# Altium PCB Slave.PcbDoc (part 9 of 12)
Units mm, origin at the board's own origin, x right, y up, seen from the top; angles counter-clockwise.
Board outline 380 x 63 mm, 4 copper layers (Top Copper, Signal Layer 1, Signal Layer 2, Bottom Copper), stack 1.586 mm thick; 265 components, 193 nets, 745 pads, 28205 vias.
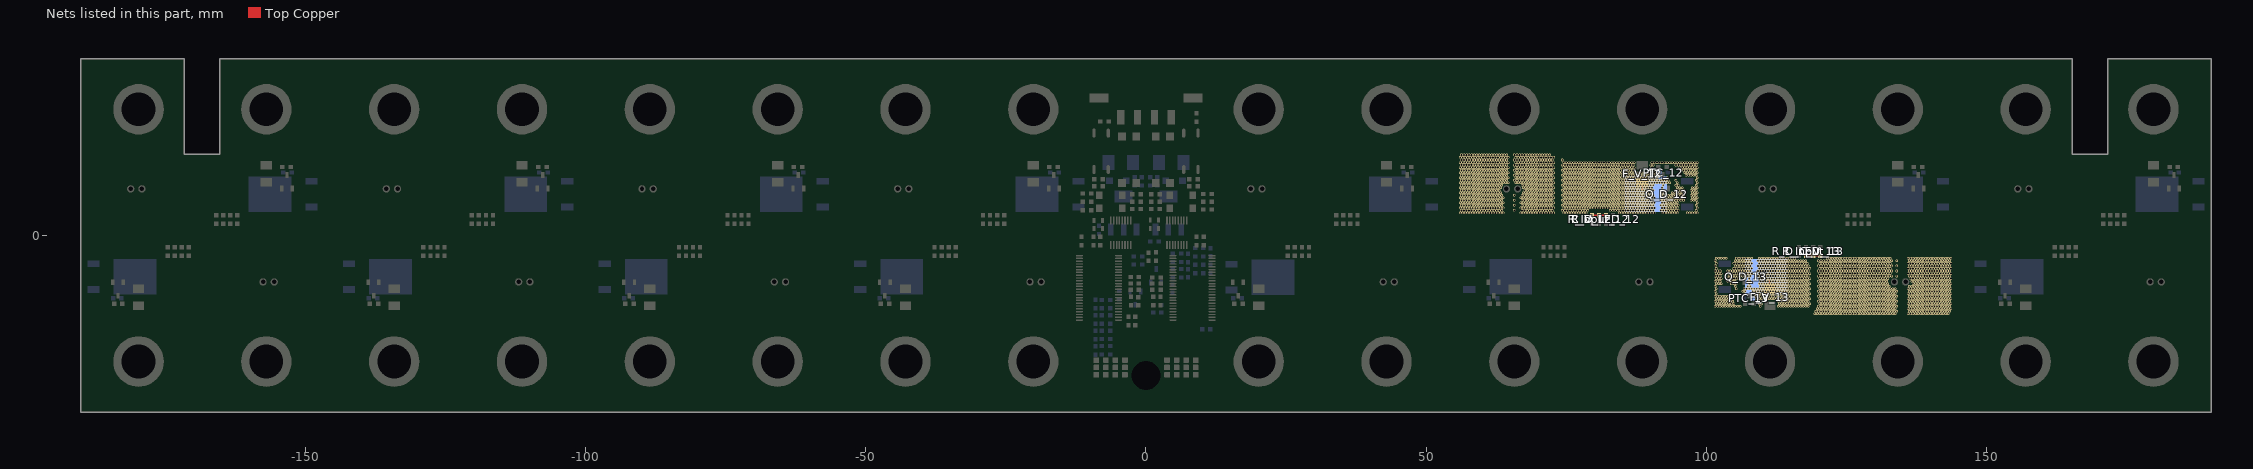
[diagram p11: the nets of this part, all layers, seen from the top]

## Via types
v1: diameter 0.45, hole 0.297, Top Copper to Bottom Copper, tented both sides, 27372 vias
v2: diameter 1, hole 0.7, Top Copper to Bottom Copper, 576 vias
v3: diameter 0.45, hole 0.2, Top Copper to Bottom Copper, 257 vias

## Nets (pads, with @x,y where several pads share a name; then routed paths per layer and width w, separated by ;. In a path a pad name is that pad's centre, name@x,y a point inside that pad or via, vN(x,y) a via of type N, cw(c..) or ccw(c..) an arc to the next point about the centre after c; other vN are vias at no path point) (continued)
F_12: C_V_12.2 F_V_12.2 PTC_12.2 Q_D_12.2 R_D_LED_12.2 R_Input_12.1 | length 3.9
  Top Copper w0.254: C_V_12.2@79.55,3.6 R_Input_12.1@80.8,3.6 R_D_LED_12.2@82.05,3.6
  Top Copper w0.305: v1@88.525,8.1 F_V_12.2@88.525,9.48
  other v1: 56.049,4 56.499,4 56.949,4 57.399,4 57.849,4 58.299,4 58.749,4 59.199,4 59.649,4 60.099,4 60.549,4 60.999,4 61.449,4 61.899,4 62.349,4 62.799,4 63.249,4 63.699,4 66.849,4 67.299,4 67.749,4 68.199,4 68.649,4 69.099,4 69.549,4 69.999,4 70.449,4 70.899,4 71.349,4 71.799,4 72.249,4 72.699,4 74.499,4 74.949,4 75.399,4 75.849,4 76.299,4 76.749,4 77.199,4 77.649,4 78.099,4 78.549,4 84.399,4 84.849,4 85.299,4 85.749,4 86.199,4 86.649,4 87.099,4 87.549,4 87.999,4 88.449,4 88.899,4 89.349,4 89.799,4 90.249,4 90.699,4 92.049,4 92.499,4 92.949,4 93.399,4 93.849,4 94.299,4 94.749,4 96.549,4 96.999,4 97.449,4 97.899,4 98.349,4 56.274,4.45 56.724,4.45 57.174,4.45 57.624,4.45 58.074,4.45 58.524,4.45 58.974,4.45 59.424,4.45 59.874,4.45 60.324,4.45 60.774,4.45 61.224,4.45 61.674,4.45 62.124,4.45 62.574,4.45 63.024,4.45 63.474,4.45 65.724,4.45 67.074,4.45 67.524,4.45 67.974,4.45 68.424,4.45 68.874,4.45 69.324,4.45 69.774,4.45 70.224,4.45 70.674,4.45 71.124,4.45 71.574,4.45 72.024,4.45 72.474,4.45 74.274,4.45 74.724,4.45 75.174,4.45 75.624,4.45 76.074,4.45 76.524,4.45 76.974,4.45 77.424,4.45 77.874,4.45 78.324,4.45 78.774,4.45 82.824,4.45 83.274,4.45 83.724,4.45 84.174,4.45 84.624,4.45 85.074,4.45 85.524,4.45 85.974,4.45 86.424,4.45 86.874,4.45 87.324,4.45 87.774,4.45 88.224,4.45 88.674,4.45 89.124,4.45 89.574,4.45 90.024,4.45 90.474,4.45 91.824,4.45 92.274,4.45 92.724,4.45 93.174,4.45 93.624,4.45 94.074,4.45 94.524,4.45 94.974,4.45 98.124,4.45 56.049,4.9 56.499,4.9 56.949,4.9 57.399,4.9 57.849,4.9 58.299,4.9 58.749,4.9 59.199,4.9 59.649,4.9 60.099,4.9 60.549,4.9 60.999,4.9 61.449,4.9 61.899,4.9 62.349,4.9 62.799,4.9 63.249,4.9 63.699,4.9 66.849,4.9 67.299,4.9 67.749,4.9 68.199,4.9 68.649,4.9 69.099,4.9 69.549,4.9 69.999,4.9 70.449,4.9 70.899,4.9 71.349,4.9 71.799,4.9 72.249,4.9 72.699,4.9 74.499,4.9 74.949,4.9 75.399,4.9 75.849,4.9 76.299,4.9 76.749,4.9 77.199,4.9 77.649,4.9 78.099,4.9 78.549,4.9 78.999,4.9 79.449,4.9 79.899,4.9 80.349,4.9 80.799,4.9 81.249,4.9 81.699,4.9 82.149,4.9 82.599,4.9 83.049,4.9 83.499,4.9 83.949,4.9 84.399,4.9 84.849,4.9 85.299,4.9 85.749,4.9 86.199,4.9 86.649,4.9 87.099,4.9 87.549,4.9 87.999,4.9 88.449,4.9 88.899,4.9 89.349,4.9 89.799,4.9 90.249,4.9 90.699,4.9 92.049,4.9 92.499,4.9 92.949,4.9 93.399,4.9 93.849,4.9 94.299,4.9 94.749,4.9 98.349,4.9 56.274,5.35 56.724,5.35 57.174,5.35 57.624,5.35 58.074,5.35 58.524,5.35 58.974,5.35 59.424,5.35 59.874,5.35 60.324,5.35 60.774,5.35 61.224,5.35 61.674,5.35 62.124,5.35 62.574,5.35 63.024,5.35 63.474,5.35 65.724,5.35 67.074,5.35 67.524,5.35 67.974,5.35 68.424,5.35 68.874,5.35 69.324,5.35 69.774,5.35 70.224,5.35 70.674,5.35 71.124,5.35 71.574,5.35 72.024,5.35 72.474,5.35 74.274,5.35 74.724,5.35 75.174,5.35 75.624,5.35 76.074,5.35 76.524,5.35 76.974,5.35 77.424,5.35 77.874,5.35 78.324,5.35 78.774,5.35 79.224,5.35 79.674,5.35 80.124,5.35 80.574,5.35 81.024,5.35 81.474,5.35 81.924,5.35 82.374,5.35 82.824,5.35 83.274,5.35 83.724,5.35 84.174,5.35 84.624,5.35 85.074,5.35 85.524,5.35 85.974,5.35 86.424,5.35 86.874,5.35 87.324,5.35 87.774,5.35 88.224,5.35 88.674,5.35 89.124,5.35 89.574,5.35 90.024,5.35 90.474,5.35 91.824,5.35 92.274,5.35 92.724,5.35 93.174,5.35 93.624,5.35 94.074,5.35 94.524,5.35 94.974,5.35 98.124,5.35 56.049,5.8 56.499,5.8 56.949,5.8 57.399,5.8 57.849,5.8 58.299,5.8 58.749,5.8 59.199,5.8 59.649,5.8 60.099,5.8 60.549,5.8 60.999,5.8 61.449,5.8 61.899,5.8 62.349,5.8 62.799,5.8 63.249,5.8 63.699,5.8 66.849,5.8 67.299,5.8 67.749,5.8 68.199,5.8 68.649,5.8 69.099,5.8 69.549,5.8 69.999,5.8 70.449,5.8 70.899,5.8 71.349,5.8 71.799,5.8 72.249,5.8 72.699,5.8 74.499,5.8 74.949,5.8 75.399,5.8 75.849,5.8 76.299,5.8 76.749,5.8 77.199,5.8 77.649,5.8 78.099,5.8 78.549,5.8 78.999,5.8 79.449,5.8 79.899,5.8 80.349,5.8 80.799,5.8 81.249,5.8 81.699,5.8 82.149,5.8 82.599,5.8 83.049,5.8 83.499,5.8 83.949,5.8 84.399,5.8 84.849,5.8 85.299,5.8 85.749,5.8 86.199,5.8 86.649,5.8 87.099,5.8 87.549,5.8 87.999,5.8 88.449,5.8 88.899,5.8 89.349,5.8 89.799,5.8 90.249,5.8 90.699,5.8 92.049,5.8 92.499,5.8 92.949,5.8 93.399,5.8 93.849,5.8 94.299,5.8 94.749,5.8 98.349,5.8 56.274,6.25 56.724,6.25 57.174,6.25 57.624,6.25 58.074,6.25 58.524,6.25 58.974,6.25 59.424,6.25 59.874,6.25 60.324,6.25 60.774,6.25 61.224,6.25 61.674,6.25 62.124,6.25 62.574,6.25 63.024,6.25 63.474,6.25 65.724,6.25 67.074,6.25 67.524,6.25 67.974,6.25 68.424,6.25 68.874,6.25 69.324,6.25 69.774,6.25 70.224,6.25 70.674,6.25 71.124,6.25 71.574,6.25 72.024,6.25 72.474,6.25 74.274,6.25 74.724,6.25 75.174,6.25 75.624,6.25 76.074,6.25 76.524,6.25 76.974,6.25 77.424,6.25 77.874,6.25 78.324,6.25 78.774,6.25 79.224,6.25 79.674,6.25 80.124,6.25 80.574,6.25 81.024,6.25 81.474,6.25 81.924,6.25 82.374,6.25 82.824,6.25 83.274,6.25 83.724,6.25 84.174,6.25 84.624,6.25 85.074,6.25 85.524,6.25 85.974,6.25 86.424,6.25 86.874,6.25 87.324,6.25 87.774,6.25 88.224,6.25 88.674,6.25 89.124,6.25 89.574,6.25 90.024,6.25 90.474,6.25 91.824,6.25 92.274,6.25 92.724,6.25 93.174,6.25 93.624,6.25 94.074,6.25 94.524,6.25 94.974,6.25 95.424,6.25 95.874,6.25 97.224,6.25 97.674,6.25 98.124,6.25 56.049,6.7 56.499,6.7 56.949,6.7 57.399,6.7 57.849,6.7 58.299,6.7 58.749,6.7 59.199,6.7 59.649,6.7 60.099,6.7 60.549,6.7 60.999,6.7 61.449,6.7 61.899,6.7 62.349,6.7 62.799,6.7 63.249,6.7 63.699,6.7 66.849,6.7 67.299,6.7 67.749,6.7 68.199,6.7 68.649,6.7 69.099,6.7 69.549,6.7 69.999,6.7 70.449,6.7 70.899,6.7 71.349,6.7 71.799,6.7 72.249,6.7 72.699,6.7 74.499,6.7 74.949,6.7 75.399,6.7 75.849,6.7 76.299,6.7 76.749,6.7 77.199,6.7 77.649,6.7 78.099,6.7 78.549,6.7 78.999,6.7 79.449,6.7 79.899,6.7 80.349,6.7 80.799,6.7 81.249,6.7 81.699,6.7 82.149,6.7 82.599,6.7 83.049,6.7 83.499,6.7 83.949,6.7 84.399,6.7 84.849,6.7 85.299,6.7 85.749,6.7 86.199,6.7 86.649,6.7 87.099,6.7 87.549,6.7 87.999,6.7 88.449,6.7 88.899,6.7 89.349,6.7 89.799,6.7 90.249,6.7 90.699,6.7 92.049,6.7 92.499,6.7 92.949,6.7 93.399,6.7 93.849,6.7 94.299,6.7 94.749,6.7 95.199,6.7 95.649,6.7 97.449,6.7 97.899,6.7 98.349,6.7 56.274,7.15 56.724,7.15 57.174,7.15 57.624,7.15 58.074,7.15 58.524,7.15 58.974,7.15 59.424,7.15 59.874,7.15 60.324,7.15 60.774,7.15 61.224,7.15 61.674,7.15 62.124,7.15 62.574,7.15 63.024,7.15 63.474,7.15 65.724,7.15 67.074,7.15 67.524,7.15 67.974,7.15 68.424,7.15 68.874,7.15 69.324,7.15 69.774,7.15 70.224,7.15 70.674,7.15 71.124,7.15 71.574,7.15 72.024,7.15 72.474,7.15 74.274,7.15 74.724,7.15 75.174,7.15 75.624,7.15 76.074,7.15 76.524,7.15 76.974,7.15 77.424,7.15 77.874,7.15 78.324,7.15 78.774,7.15 79.224,7.15 79.674,7.15 80.124,7.15 80.574,7.15 81.024,7.15 81.474,7.15 81.924,7.15 82.374,7.15 82.824,7.15 83.274,7.15 83.724,7.15 84.174,7.15 84.624,7.15 85.074,7.15 85.524,7.15 85.974,7.15 86.424,7.15 86.874,7.15 87.324,7.15 87.774,7.15 88.224,7.15 88.674,7.15 89.124,7.15 89.574,7.15 90.024,7.15 90.474,7.15 91.824,7.15 92.274,7.15 92.724,7.15 93.174,7.15 93.624,7.15 94.074,7.15 94.524,7.15 94.974,7.15 95.424,7.15 95.874,7.15 97.224,7.15 97.674,7.15 98.124,7.15 56.049,7.6 56.499,7.6 56.949,7.6 57.399,7.6 57.849,7.6 58.299,7.6 58.749,7.6 59.199,7.6 59.649,7.6 60.099,7.6 60.549,7.6 60.999,7.6 61.449,7.6 61.899,7.6 62.349,7.6 62.799,7.6 63.249,7.6 67.299,7.6 67.749,7.6 68.199,7.6 68.649,7.6 69.099,7.6 69.549,7.6 69.999,7.6 70.449,7.6 70.899,7.6 71.349,7.6 71.799,7.6 72.249,7.6 72.699,7.6 74.499,7.6 74.949,7.6 75.399,7.6 75.849,7.6 76.299,7.6 76.749,7.6 77.199,7.6 77.649,7.6 78.099,7.6 78.549,7.6 78.999,7.6 79.449,7.6 79.899,7.6 80.349,7.6 80.799,7.6 81.249,7.6 81.699,7.6 82.149,7.6 82.599,7.6 83.049,7.6 83.499,7.6 83.949,7.6 84.399,7.6 84.849,7.6 85.299,7.6 85.749,7.6 86.199,7.6 86.649,7.6 87.099,7.6 87.549,7.6 87.999,7.6 88.449,7.6 88.899,7.6 89.349,7.6 89.799,7.6 90.249,7.6 92.049,7.6 92.499,7.6 93.849,7.6 94.299,7.6 94.749,7.6 95.199,7.6 95.649,7.6 97.449,7.6 97.899,7.6 98.349,7.6 56.274,8.05 56.724,8.05 57.174,8.05 57.624,8.05 58.074,8.05 58.524,8.05 58.974,8.05 59.424,8.05 59.874,8.05 60.324,8.05 60.774,8.05 61.224,8.05 61.674,8.05 62.124,8.05 62.574,8.05 63.024,8.05 67.524,8.05 67.974,8.05 68.424,8.05 68.874,8.05 69.324,8.05 69.774,8.05 70.224,8.05 70.674,8.05 71.124,8.05 71.574,8.05 72.024,8.05 72.474,8.05 74.274,8.05 74.724,8.05 75.174,8.05 75.624,8.05 76.074,8.05 76.524,8.05 76.974,8.05 77.424,8.05 77.874,8.05 78.324,8.05 78.774,8.05 79.224,8.05 79.674,8.05 80.124,8.05 80.574,8.05 81.024,8.05 81.474,8.05 81.924,8.05 82.374,8.05 82.824,8.05 83.274,8.05 83.724,8.05 84.174,8.05 84.624,8.05 85.074,8.05 85.524,8.05 85.974,8.05 86.424,8.05 86.874,8.05 87.324,8.05 87.774,8.05 88.224,8.05 88.674,8.05 89.124,8.05 89.574,8.05 90.024,8.05 90.474,8.05 92.274,8.05 94.524,8.05 94.974,8.05 95.424,8.05 95.874,8.05 97.224,8.05 97.674,8.05 98.124,8.05 56.049,8.5 56.499,8.5 56.949,8.5 57.399,8.5 57.849,8.5 58.299,8.5 58.749,8.5 59.199,8.5 59.649,8.5 60.099,8.5 60.549,8.5 60.999,8.5 61.449,8.5 61.899,8.5 62.349,8.5 62.799,8.5 63.249,8.5 67.299,8.5 67.749,8.5 68.199,8.5 68.649,8.5 69.099,8.5 69.549,8.5 69.999,8.5 70.449,8.5 70.899,8.5 71.349,8.5 71.799,8.5 72.249,8.5 72.699,8.5 74.499,8.5 74.949,8.5 75.399,8.5 75.849,8.5 76.299,8.5 76.749,8.5 77.199,8.5 77.649,8.5 78.099,8.5 78.549,8.5 78.999,8.5 79.449,8.5 79.899,8.5 80.349,8.5 80.799,8.5 81.249,8.5 81.699,8.5 82.149,8.5 82.599,8.5 83.049,8.5 83.499,8.5 83.949,8.5 84.399,8.5 84.849,8.5 85.299,8.5 85.749,8.5 86.199,8.5 86.649,8.5 87.099,8.5 87.549,8.5 87.999,8.5 88.449,8.5 88.899,8.5 89.349,8.5 89.799,8.5 90.249,8.5 92.049,8.5 94.749,8.5 95.199,8.5 95.649,8.5 97.449,8.5 97.899,8.5 98.349,8.5 56.274,8.95 56.724,8.95 57.174,8.95 57.624,8.95 58.074,8.95 58.524,8.95 58.974,8.95 59.424,8.95 59.874,8.95 60.324,8.95 60.774,8.95 61.224,8.95 61.674,8.95 62.124,8.95 62.574,8.95 63.024,8.95 63.474,8.95 67.074,8.95 67.524,8.95 67.974,8.95 68.424,8.95 68.874,8.95 69.324,8.95 69.774,8.95 70.224,8.95 70.674,8.95 71.124,8.95 71.574,8.95 72.024,8.95 72.474,8.95 74.274,8.95 74.724,8.95 75.174,8.95 75.624,8.95 76.074,8.95 76.524,8.95 76.974,8.95 77.424,8.95 77.874,8.95 78.324,8.95 78.774,8.95 79.224,8.95 79.674,8.95 80.124,8.95 80.574,8.95 81.024,8.95 81.474,8.95 81.924,8.95 82.374,8.95 82.824,8.95 83.274,8.95 83.724,8.95 84.174,8.95 84.624,8.95 85.074,8.95 85.524,8.95 85.974,8.95 86.424,8.95 86.874,8.95 87.324,8.95 87.774,8.95 88.224,8.95 88.674,8.95 89.124,8.95 89.574,8.95 90.024,8.95 90.474,8.95 92.274,8.95 94.524,8.95 94.974,8.95 98.124,8.95 56.049,9.4 56.499,9.4 56.949,9.4 57.399,9.4 57.849,9.4 58.299,9.4 58.749,9.4 59.199,9.4 59.649,9.4 60.099,9.4 60.549,9.4 60.999,9.4 61.449,9.4 61.899,9.4 62.349,9.4 62.799,9.4 63.249,9.4 63.699,9.4 64.149,9.4 64.599,9.4 65.949,9.4 66.399,9.4 66.849,9.4 67.299,9.4 67.749,9.4 68.199,9.4 68.649,9.4 69.099,9.4 69.549,9.4 69.999,9.4 70.449,9.4 70.899,9.4 71.349,9.4 71.799,9.4 72.249,9.4 72.699,9.4 74.499,9.4 74.949,9.4 75.399,9.4 75.849,9.4 76.299,9.4 76.749,9.4 77.199,9.4 77.649,9.4 78.099,9.4 78.549,9.4 78.999,9.4 79.449,9.4 79.899,9.4 80.349,9.4 80.799,9.4 81.249,9.4 81.699,9.4 82.149,9.4 82.599,9.4 83.049,9.4 83.499,9.4 83.949,9.4 84.399,9.4 84.849,9.4 85.299,9.4 85.749,9.4 86.199,9.4 86.649,9.4 87.099,9.4 87.549,9.4 87.999,9.4 88.449,9.4 88.899,9.4 89.349,9.4 89.799,9.4 90.249,9.4 90.699,9.4 91.149,9.4 91.599,9.4 92.049,9.4 92.499,9.4 92.949,9.4 93.399,9.4 94.749,9.4 98.349,9.4 56.274,9.85 56.724,9.85 57.174,9.85 57.624,9.85 58.074,9.85 58.524,9.85 58.974,9.85 59.424,9.85 59.874,9.85 60.324,9.85 60.774,9.85 61.224,9.85 61.674,9.85 62.124,9.85 62.574,9.85 63.024,9.85 63.474,9.85 63.924,9.85 64.374,9.85 65.724,9.85 66.174,9.85 66.624,9.85 67.074,9.85 67.524,9.85 67.974,9.85 68.424,9.85 68.874,9.85 69.324,9.85 69.774,9.85 70.224,9.85 70.674,9.85 71.124,9.85 71.574,9.85 72.024,9.85 72.474,9.85 74.274,9.85 74.724,9.85 75.174,9.85 75.624,9.85 76.074,9.85 76.524,9.85 76.974,9.85 77.424,9.85 77.874,9.85 78.324,9.85 78.774,9.85 79.224,9.85 79.674,9.85 80.124,9.85 80.574,9.85 81.024,9.85 81.474,9.85 81.924,9.85 82.374,9.85 82.824,9.85 83.274,9.85 83.724,9.85 84.174,9.85 84.624,9.85 85.074,9.85 85.524,9.85 85.974,9.85 86.424,9.85 86.874,9.85 87.324,9.85 87.774,9.85 88.224,9.85 88.674,9.85 89.124,9.85 89.574,9.85 90.024,9.85 90.474,9.85 90.924,9.85 91.374,9.85 91.824,9.85 92.274,9.85 92.724,9.85 93.174,9.85 94.524,9.85 98.124,9.85 56.049,10.3 56.499,10.3 56.949,10.3 57.399,10.3 57.849,10.3 58.299,10.3 58.749,10.3 59.199,10.3 59.649,10.3 60.099,10.3 60.549,10.3 60.999,10.3 61.449,10.3 61.899,10.3 62.349,10.3 62.799,10.3 63.249,10.3 63.699,10.3 64.149,10.3 64.599,10.3 65.949,10.3 66.399,10.3 66.849,10.3 67.299,10.3 67.749,10.3 68.199,10.3 68.649,10.3 69.099,10.3 69.549,10.3 69.999,10.3 70.449,10.3 70.899,10.3 71.349,10.3 71.799,10.3 72.249,10.3 72.699,10.3 74.499,10.3 74.949,10.3 75.399,10.3 75.849,10.3 76.299,10.3 76.749,10.3 77.199,10.3 77.649,10.3 78.099,10.3 78.549,10.3 78.999,10.3 79.449,10.3 79.899,10.3 80.349,10.3 80.799,10.3 81.249,10.3 81.699,10.3 82.149,10.3 82.599,10.3 83.049,10.3 83.499,10.3 83.949,10.3 84.399,10.3 84.849,10.3 85.299,10.3 85.749,10.3 86.199,10.3 86.649,10.3 87.099,10.3 87.549,10.3 87.999,10.3 88.449,10.3 88.899,10.3 89.349,10.3 89.799,10.3 90.249,10.3 90.699,10.3 91.149,10.3 92.949,10.3 98.349,10.3 56.274,10.75 56.724,10.75 57.174,10.75 57.624,10.75 58.074,10.75 58.524,10.75 58.974,10.75 59.424,10.75 59.874,10.75 60.324,10.75 60.774,10.75 61.224,10.75 61.674,10.75 62.124,10.75 62.574,10.75 63.024,10.75 63.474,10.75 63.924,10.75 64.374,10.75 65.724,10.75 66.174,10.75 66.624,10.75 67.074,10.75 67.524,10.75 67.974,10.75 68.424,10.75 68.874,10.75 69.324,10.75 69.774,10.75 70.224,10.75 70.674,10.75 71.124,10.75 71.574,10.75 72.024,10.75 72.474,10.75 74.274,10.75 74.724,10.75 75.174,10.75 75.624,10.75 76.074,10.75 76.524,10.75 76.974,10.75 77.424,10.75 77.874,10.75 78.324,10.75 78.774,10.75 79.224,10.75 79.674,10.75 80.124,10.75 80.574,10.75 81.024,10.75 81.474,10.75 81.924,10.75 82.374,10.75 82.824,10.75 83.274,10.75 83.724,10.75 84.174,10.75 84.624,10.75 85.074,10.75 85.524,10.75 85.974,10.75 86.424,10.75 86.874,10.75 87.324,10.75 87.774,10.75 88.224,10.75 88.674,10.75 89.124,10.75 89.574,10.75 90.024,10.75 90.474,10.75 90.924,10.75 91.374,10.75 96.324,10.75 96.774,10.75 97.224,10.75 97.674,10.75 98.124,10.75 56.049,11.2 56.499,11.2 56.949,11.2 57.399,11.2 57.849,11.2 58.299,11.2 58.749,11.2 59.199,11.2 59.649,11.2 60.099,11.2 60.549,11.2 60.999,11.2 61.449,11.2 61.899,11.2 62.349,11.2 62.799,11.2 63.249,11.2 63.699,11.2 64.149,11.2 64.599,11.2 65.949,11.2 66.399,11.2 66.849,11.2 67.299,11.2 67.749,11.2 68.199,11.2 68.649,11.2 69.099,11.2 69.549,11.2 69.999,11.2 70.449,11.2 70.899,11.2 71.349,11.2 71.799,11.2 72.249,11.2 72.699,11.2 74.499,11.2 74.949,11.2 75.399,11.2 75.849,11.2 76.299,11.2 76.749,11.2 77.199,11.2 77.649,11.2 78.099,11.2 78.549,11.2 78.999,11.2 79.449,11.2 79.899,11.2 80.349,11.2 80.799,11.2 81.249,11.2 81.699,11.2 82.149,11.2 82.599,11.2 83.049,11.2 83.499,11.2 83.949,11.2 84.399,11.2 84.849,11.2 85.299,11.2 85.749,11.2 86.199,11.2 86.649,11.2 87.099,11.2 87.549,11.2 87.999,11.2 88.449,11.2 88.899,11.2 89.349,11.2 89.799,11.2 90.249,11.2 90.699,11.2 91.149,11.2 96.099,11.2 96.549,11.2 96.999,11.2 97.449,11.2 97.899,11.2 98.349,11.2 56.274,11.65 56.724,11.65 57.174,11.65 57.624,11.65 58.074,11.65 58.524,11.65 58.974,11.65 59.424,11.65 59.874,11.65 60.324,11.65 60.774,11.65 61.224,11.65 61.674,11.65 62.124,11.65 62.574,11.65 63.024,11.65 63.474,11.65 63.924,11.65 64.374,11.65 65.724,11.65 66.174,11.65 66.624,11.65 67.074,11.65 67.524,11.65 67.974,11.65 68.424,11.65 68.874,11.65 69.324,11.65 69.774,11.65 70.224,11.65 70.674,11.65 71.124,11.65 71.574,11.65 72.024,11.65 72.474,11.65 74.274,11.65 74.724,11.65 75.174,11.65 75.624,11.65 76.074,11.65 76.524,11.65 76.974,11.65 77.424,11.65 77.874,11.65 78.324,11.65 78.774,11.65 79.224,11.65 79.674,11.65 80.124,11.65 80.574,11.65 81.024,11.65 81.474,11.65 81.924,11.65 82.374,11.65 82.824,11.65 83.274,11.65 83.724,11.65 84.174,11.65 84.624,11.65 85.074,11.65 85.524,11.65 85.974,11.65 86.424,11.65 86.874,11.65 90.024,11.65 90.474,11.65 95.424,11.65 95.874,11.65 96.324,11.65 96.774,11.65 97.224,11.65 97.674,11.65 98.124,11.65 56.049,12.1 56.499,12.1 56.949,12.1 57.399,12.1 57.849,12.1 58.299,12.1 58.749,12.1 59.199,12.1 59.649,12.1 60.099,12.1 60.549,12.1 60.999,12.1 61.449,12.1 61.899,12.1 62.349,12.1 62.799,12.1 63.249,12.1 63.699,12.1 64.149,12.1 64.599,12.1 65.949,12.1 66.399,12.1 66.849,12.1 67.299,12.1 67.749,12.1 68.199,12.1 68.649,12.1 69.099,12.1 69.549,12.1 69.999,12.1 70.449,12.1 70.899,12.1 71.349,12.1 71.799,12.1 72.249,12.1 72.699,12.1 74.499,12.1 74.949,12.1 75.399,12.1 75.849,12.1 76.299,12.1 76.749,12.1 77.199,12.1 77.649,12.1 78.099,12.1 78.549,12.1 78.999,12.1 79.449,12.1 79.899,12.1 80.349,12.1 80.799,12.1 81.249,12.1 81.699,12.1 82.149,12.1 82.599,12.1 83.049,12.1 83.499,12.1 83.949,12.1 84.399,12.1 84.849,12.1 85.299,12.1 85.749,12.1 86.199,12.1 86.649,12.1 87.099,12.1 90.249,12.1 95.199,12.1 95.649,12.1 96.099,12.1 96.549,12.1 96.999,12.1 97.449,12.1 97.899,12.1 98.349,12.1 56.274,12.55 56.724,12.55 57.174,12.55 57.624,12.55 58.074,12.55 58.524,12.55 58.974,12.55 59.424,12.55 59.874,12.55 60.324,12.55 60.774,12.55 61.224,12.55 61.674,12.55 62.124,12.55 62.574,12.55 63.024,12.55 63.474,12.55 63.924,12.55 64.374,12.55 65.724,12.55 66.174,12.55 66.624,12.55 67.074,12.55 67.524,12.55 67.974,12.55 68.424,12.55 68.874,12.55 69.324,12.55 69.774,12.55 70.224,12.55 70.674,12.55 71.124,12.55 71.574,12.55 72.024,12.55 72.474,12.55 74.274,12.55 74.724,12.55 75.174,12.55 75.624,12.55 76.074,12.55 76.524,12.55 76.974,12.55 77.424,12.55 77.874,12.55 78.324,12.55 78.774,12.55 79.224,12.55 79.674,12.55 80.124,12.55 80.574,12.55 81.024,12.55 81.474,12.55 81.924,12.55 82.374,12.55 82.824,12.55 83.274,12.55 83.724,12.55 84.174,12.55 84.624,12.55 85.074,12.55 85.524,12.55 85.974,12.55 86.424,12.55 86.874,12.55 90.024,12.55 90.474,12.55 94.524,12.55 94.974,12.55 95.424,12.55 95.874,12.55 96.324,12.55 96.774,12.55 97.224,12.55 97.674,12.55 98.124,12.55 56.049,13 56.499,13 56.949,13 57.399,13 57.849,13 58.299,13 58.749,13 59.199,13 59.649,13 60.099,13 60.549,13 60.999,13 61.449,13 61.899,13 62.349,13 62.799,13 63.249,13 63.699,13 64.149,13 64.599,13 65.949,13 66.399,13 66.849,13 67.299,13 67.749,13 68.199,13 68.649,13 69.099,13 69.549,13 69.999,13 70.449,13 70.899,13 71.349,13 71.799,13 72.249,13 72.699,13 74.499,13 74.949,13 75.399,13 75.849,13 76.299,13 76.749,13 77.199,13 77.649,13 78.099,13 78.549,13 78.999,13 79.449,13 79.899,13 80.349,13 80.799,13 81.249,13 81.699,13 82.149,13 82.599,13 83.049,13 83.499,13 83.949,13 84.399,13 84.849,13 85.299,13 85.749,13 86.199,13 86.649,13 87.099,13 90.249,13 90.699,13 91.149,13 91.599,13 92.049,13 92.499,13 92.949,13 93.399,13 93.849,13 94.299,13 94.749,13 95.199,13 95.649,13 96.099,13 96.549,13 96.999,13 97.449,13 97.899,13 98.349,13 56.274,13.45 56.724,13.45 57.174,13.45 57.624,13.45 58.074,13.45 58.524,13.45 58.974,13.45 59.424,13.45 59.874,13.45 60.324,13.45 60.774,13.45 61.224,13.45 61.674,13.45 62.124,13.45 62.574,13.45 63.024,13.45 63.474,13.45 63.924,13.45 64.374,13.45 65.724,13.45 66.174,13.45 66.624,13.45 67.074,13.45 67.524,13.45 67.974,13.45 68.424,13.45 68.874,13.45 69.324,13.45 69.774,13.45 70.224,13.45 70.674,13.45 71.124,13.45 71.574,13.45 72.024,13.45 72.474,13.45 74.274,13.45 56.049,13.9 56.499,13.9 56.949,13.9 57.399,13.9 57.849,13.9 58.299,13.9 58.749,13.9 59.199,13.9 59.649,13.9 60.099,13.9 60.549,13.9 60.999,13.9 61.449,13.9 61.899,13.9 62.349,13.9 62.799,13.9 63.249,13.9 63.699,13.9 64.149,13.9 64.599,13.9 65.949,13.9 66.399,13.9 66.849,13.9 67.299,13.9 67.749,13.9 68.199,13.9 68.649,13.9 69.099,13.9 69.549,13.9 69.999,13.9 70.449,13.9 70.899,13.9 71.349,13.9 71.799,13.9 72.249,13.9 72.699,13.9 56.274,14.35 56.724,14.35 57.174,14.35 57.624,14.35 58.074,14.35 58.524,14.35 58.974,14.35 59.424,14.35 59.874,14.35 60.324,14.35 60.774,14.35 61.224,14.35 61.674,14.35 62.124,14.35 62.574,14.35 63.024,14.35 63.474,14.35 63.924,14.35 64.374,14.35 65.724,14.35 66.174,14.35 66.624,14.35 67.074,14.35 67.524,14.35 67.974,14.35 68.424,14.35 68.874,14.35 69.324,14.35 69.774,14.35 70.224,14.35 70.674,14.35 71.124,14.35 71.574,14.35 72.024,14.35
F_13: C_V_13.2 F_V_13.2 PTC_13.2 Q_D_13.2 R_D_LED_13.2 R_Input_13.1 | length 3.9
  Top Copper w0.254: R_D_LED_13.2@117.75,-3.6 R_Input_13.1@119,-3.6 C_V_13.2@120.25,-3.6
  Top Copper w0.305: F_V_13.2@111.275,-9.48 v1@111.275,-8.1
  other v1: 119.274,-14 119.724,-14 120.174,-14 120.624,-14 121.074,-14 121.524,-14 121.974,-14 122.424,-14 122.874,-14 123.324,-14 123.774,-14 124.224,-14 124.674,-14 125.124,-14 125.574,-14 126.024,-14 126.474,-14 126.924,-14 127.374,-14 127.824,-14 128.274,-14 128.724,-14 129.174,-14 129.624,-14 130.074,-14 130.524,-14 130.974,-14 131.424,-14 131.874,-14 132.324,-14 132.774,-14 133.224,-14 133.674,-14 135.924,-14 136.374,-14 136.824,-14 137.274,-14 137.724,-14 138.174,-14 138.624,-14 139.074,-14 139.524,-14 139.974,-14 140.424,-14 140.874,-14 141.324,-14 141.774,-14 142.224,-14 142.674,-14 143.124,-14 119.499,-13.55 119.949,-13.55 120.399,-13.55 120.849,-13.55 121.299,-13.55 121.749,-13.55 122.199,-13.55 122.649,-13.55 123.099,-13.55 123.549,-13.55 123.999,-13.55 124.449,-13.55 124.899,-13.55 125.349,-13.55 125.799,-13.55 126.249,-13.55 126.699,-13.55 127.149,-13.55 127.599,-13.55 128.049,-13.55 128.499,-13.55 128.949,-13.55 129.399,-13.55 129.849,-13.55 130.299,-13.55 130.749,-13.55 131.199,-13.55 131.649,-13.55 132.099,-13.55 132.549,-13.55 132.999,-13.55 133.449,-13.55 133.899,-13.55 136.149,-13.55 136.599,-13.55 137.049,-13.55 137.499,-13.55 137.949,-13.55 138.399,-13.55 138.849,-13.55 139.299,-13.55 139.749,-13.55 140.199,-13.55 140.649,-13.55 141.099,-13.55 141.549,-13.55 141.999,-13.55 142.449,-13.55 142.899,-13.55 143.349,-13.55 119.724,-13.1 120.174,-13.1 120.624,-13.1 121.074,-13.1 121.524,-13.1 121.974,-13.1 122.424,-13.1 122.874,-13.1 123.324,-13.1 123.774,-13.1 124.224,-13.1 124.674,-13.1 125.124,-13.1 125.574,-13.1 126.024,-13.1 126.474,-13.1 126.924,-13.1 127.374,-13.1 127.824,-13.1 128.274,-13.1 128.724,-13.1 129.174,-13.1 129.624,-13.1 130.074,-13.1 130.524,-13.1 130.974,-13.1 131.424,-13.1 131.874,-13.1 132.324,-13.1 132.774,-13.1 133.224,-13.1 133.674,-13.1 135.924,-13.1 136.374,-13.1 136.824,-13.1 137.274,-13.1 137.724,-13.1 138.174,-13.1 138.624,-13.1 139.074,-13.1 139.524,-13.1 139.974,-13.1 140.424,-13.1 140.874,-13.1 141.324,-13.1 141.774,-13.1 142.224,-13.1 142.674,-13.1 143.124,-13.1 143.574,-13.1 101.499,-12.65 101.949,-12.65 102.399,-12.65 102.849,-12.65 103.299,-12.65 103.749,-12.65 104.199,-12.65 104.649,-12.65 105.099,-12.65 105.549,-12.65 105.999,-12.65 109.599,-12.65 112.749,-12.65 113.199,-12.65 113.649,-12.65 114.099,-12.65 114.549,-12.65 114.999,-12.65 115.449,-12.65 115.899,-12.65 116.349,-12.65 116.799,-12.65 117.249,-12.65 117.699,-12.65 118.149,-12.65 119.949,-12.65 120.399,-12.65 120.849,-12.65 121.299,-12.65 121.749,-12.65 122.199,-12.65 122.649,-12.65 123.099,-12.65 123.549,-12.65 123.999,-12.65 124.449,-12.65 124.899,-12.65 125.349,-12.65 125.799,-12.65 126.249,-12.65 126.699,-12.65 127.149,-12.65 127.599,-12.65 128.049,-12.65 128.499,-12.65 128.949,-12.65 129.399,-12.65 129.849,-12.65 130.299,-12.65 130.749,-12.65 131.199,-12.65 131.649,-12.65 132.099,-12.65 132.549,-12.65 132.999,-12.65 133.449,-12.65 133.899,-12.65 136.149,-12.65 136.599,-12.65 137.049,-12.65 137.499,-12.65 137.949,-12.65 138.399,-12.65 138.849,-12.65 139.299,-12.65 139.749,-12.65 140.199,-12.65 140.649,-12.65 141.099,-12.65 141.549,-12.65 141.999,-12.65 142.449,-12.65 142.899,-12.65 143.349,-12.65 101.724,-12.2 102.174,-12.2 102.624,-12.2 103.074,-12.2 103.524,-12.2 103.974,-12.2 104.424,-12.2 104.874,-12.2 109.374,-12.2 109.824,-12.2 112.974,-12.2 113.424,-12.2 113.874,-12.2 114.324,-12.2 114.774,-12.2 115.224,-12.2 115.674,-12.2 116.124,-12.2 116.574,-12.2 117.024,-12.2 117.474,-12.2 117.924,-12.2 118.374,-12.2 120.174,-12.2 120.624,-12.2 121.074,-12.2 121.524,-12.2 121.974,-12.2 122.424,-12.2 122.874,-12.2 123.324,-12.2 123.774,-12.2 124.224,-12.2 124.674,-12.2 125.124,-12.2 125.574,-12.2 126.024,-12.2 126.474,-12.2 126.924,-12.2 127.374,-12.2 127.824,-12.2 128.274,-12.2 128.724,-12.2 129.174,-12.2 129.624,-12.2 130.074,-12.2 130.524,-12.2 130.974,-12.2 131.424,-12.2 131.874,-12.2 132.324,-12.2 132.774,-12.2 133.224,-12.2 133.674,-12.2 135.924,-12.2 136.374,-12.2 136.824,-12.2 137.274,-12.2 137.724,-12.2 138.174,-12.2 138.624,-12.2 139.074,-12.2 139.524,-12.2 139.974,-12.2 140.424,-12.2 140.874,-12.2 141.324,-12.2 141.774,-12.2 142.224,-12.2 142.674,-12.2 143.124,-12.2 143.574,-12.2 101.499,-11.75 101.949,-11.75 102.399,-11.75 102.849,-11.75 103.299,-11.75 103.749,-11.75 104.199,-11.75 104.649,-11.75 109.599,-11.75 112.749,-11.75 113.199,-11.75 113.649,-11.75 114.099,-11.75 114.549,-11.75 114.999,-11.75 115.449,-11.75 115.899,-11.75 116.349,-11.75 116.799,-11.75 117.249,-11.75 117.699,-11.75 118.149,-11.75 119.949,-11.75 120.399,-11.75 120.849,-11.75 121.299,-11.75 121.749,-11.75 122.199,-11.75 122.649,-11.75 123.099,-11.75 123.549,-11.75 123.999,-11.75 124.449,-11.75 124.899,-11.75 125.349,-11.75 125.799,-11.75 126.249,-11.75 126.699,-11.75 127.149,-11.75 127.599,-11.75 128.049,-11.75 128.499,-11.75 128.949,-11.75 129.399,-11.75 129.849,-11.75 130.299,-11.75 130.749,-11.75 131.199,-11.75 131.649,-11.75 132.099,-11.75 132.549,-11.75 132.999,-11.75 133.449,-11.75 133.899,-11.75 136.149,-11.75 136.599,-11.75 137.049,-11.75 137.499,-11.75 137.949,-11.75 138.399,-11.75 138.849,-11.75 139.299,-11.75 139.749,-11.75 140.199,-11.75 140.649,-11.75 141.099,-11.75 141.549,-11.75 141.999,-11.75 142.449,-11.75 142.899,-11.75 143.349,-11.75 101.724,-11.3 102.174,-11.3 102.624,-11.3 103.074,-11.3 103.524,-11.3 103.974,-11.3 108.924,-11.3 109.374,-11.3 109.824,-11.3 110.274,-11.3 110.724,-11.3 111.174,-11.3 111.624,-11.3 112.074,-11.3 112.524,-11.3 112.974,-11.3 113.424,-11.3 113.874,-11.3 114.324,-11.3 114.774,-11.3 115.224,-11.3 115.674,-11.3 116.124,-11.3 116.574,-11.3 117.024,-11.3 117.474,-11.3 117.924,-11.3 118.374,-11.3 120.174,-11.3 120.624,-11.3 121.074,-11.3 121.524,-11.3 121.974,-11.3 122.424,-11.3 122.874,-11.3 123.324,-11.3 123.774,-11.3 124.224,-11.3 124.674,-11.3 125.124,-11.3 125.574,-11.3 126.024,-11.3 126.474,-11.3 126.924,-11.3 127.374,-11.3 127.824,-11.3 128.274,-11.3 128.724,-11.3 129.174,-11.3 129.624,-11.3 130.074,-11.3 130.524,-11.3 130.974,-11.3 131.424,-11.3 131.874,-11.3 132.324,-11.3 132.774,-11.3 133.224,-11.3 133.674,-11.3 135.924,-11.3 136.374,-11.3 136.824,-11.3 137.274,-11.3 137.724,-11.3 138.174,-11.3 138.624,-11.3 139.074,-11.3 139.524,-11.3 139.974,-11.3 140.424,-11.3 140.874,-11.3 141.324,-11.3 141.774,-11.3 142.224,-11.3 142.674,-11.3 143.124,-11.3 143.574,-11.3 101.499,-10.85 101.949,-10.85 102.399,-10.85 102.849,-10.85 103.299,-10.85 103.749,-10.85 108.699,-10.85 109.149,-10.85 109.599,-10.85 110.049,-10.85 110.499,-10.85 110.949,-10.85 111.399,-10.85 111.849,-10.85 112.299,-10.85 112.749,-10.85 113.199,-10.85 113.649,-10.85 114.099,-10.85 114.549,-10.85 114.999,-10.85 115.449,-10.85 115.899,-10.85 116.349,-10.85 116.799,-10.85 117.249,-10.85 117.699,-10.85 118.149,-10.85 119.949,-10.85 120.399,-10.85 120.849,-10.85 121.299,-10.85 121.749,-10.85 122.199,-10.85 122.649,-10.85 123.099,-10.85 123.549,-10.85 123.999,-10.85 124.449,-10.85 124.899,-10.85 125.349,-10.85 125.799,-10.85 126.249,-10.85 126.699,-10.85 127.149,-10.85 127.599,-10.85 128.049,-10.85 128.499,-10.85 128.949,-10.85 129.399,-10.85 129.849,-10.85 130.299,-10.85 130.749,-10.85 131.199,-10.85 131.649,-10.85 132.099,-10.85 132.549,-10.85 132.999,-10.85 133.449,-10.85 133.899,-10.85 136.149,-10.85 136.599,-10.85 137.049,-10.85 137.499,-10.85 137.949,-10.85 138.399,-10.85 138.849,-10.85 139.299,-10.85 139.749,-10.85 140.199,-10.85 140.649,-10.85 141.099,-10.85 141.549,-10.85 141.999,-10.85 142.449,-10.85 142.899,-10.85 143.349,-10.85 101.724,-10.4 106.674,-10.4 108.474,-10.4 108.924,-10.4 109.374,-10.4 109.824,-10.4 110.274,-10.4 110.724,-10.4 111.174,-10.4 111.624,-10.4 112.074,-10.4 112.524,-10.4 112.974,-10.4 113.424,-10.4 113.874,-10.4 114.324,-10.4 114.774,-10.4 115.224,-10.4 115.674,-10.4 116.124,-10.4 116.574,-10.4 117.024,-10.4 117.474,-10.4 117.924,-10.4 118.374,-10.4 120.174,-10.4 120.624,-10.4 121.074,-10.4 121.524,-10.4 121.974,-10.4 122.424,-10.4 122.874,-10.4 123.324,-10.4 123.774,-10.4 124.224,-10.4 124.674,-10.4 125.124,-10.4 125.574,-10.4 126.024,-10.4 126.474,-10.4 126.924,-10.4 127.374,-10.4 127.824,-10.4 128.274,-10.4 128.724,-10.4 129.174,-10.4 129.624,-10.4 130.074,-10.4 130.524,-10.4 130.974,-10.4 131.424,-10.4 131.874,-10.4 132.324,-10.4 132.774,-10.4 133.224,-10.4 133.674,-10.4 135.924,-10.4 136.374,-10.4 136.824,-10.4 137.274,-10.4 137.724,-10.4 138.174,-10.4 138.624,-10.4 139.074,-10.4 139.524,-10.4 139.974,-10.4 140.424,-10.4 140.874,-10.4 141.324,-10.4 141.774,-10.4 142.224,-10.4 142.674,-10.4 143.124,-10.4 143.574,-10.4 101.499,-9.95 106.449,-9.95 106.899,-9.95 108.249,-9.95 108.699,-9.95 109.149,-9.95 109.599,-9.95 110.049,-9.95 110.499,-9.95 110.949,-9.95 111.399,-9.95 111.849,-9.95 112.299,-9.95 112.749,-9.95 113.199,-9.95 113.649,-9.95 114.099,-9.95 114.549,-9.95 114.999,-9.95 115.449,-9.95 115.899,-9.95 116.349,-9.95 116.799,-9.95 117.249,-9.95 117.699,-9.95 118.149,-9.95 119.949,-9.95 120.399,-9.95 120.849,-9.95 121.299,-9.95 121.749,-9.95 122.199,-9.95 122.649,-9.95 123.099,-9.95 123.549,-9.95 123.999,-9.95 124.449,-9.95 124.899,-9.95 125.349,-9.95 125.799,-9.95 126.249,-9.95 126.699,-9.95 127.149,-9.95 127.599,-9.95 128.049,-9.95 128.499,-9.95 128.949,-9.95 129.399,-9.95 129.849,-9.95 130.299,-9.95 130.749,-9.95 131.199,-9.95 131.649,-9.95 132.099,-9.95 132.549,-9.95 132.999,-9.95 133.449,-9.95 133.899,-9.95 136.149,-9.95 136.599,-9.95 137.049,-9.95 137.499,-9.95 137.949,-9.95 138.399,-9.95 138.849,-9.95 139.299,-9.95 139.749,-9.95 140.199,-9.95 140.649,-9.95 141.099,-9.95 141.549,-9.95 141.999,-9.95 142.449,-9.95 142.899,-9.95 143.349,-9.95 101.724,-9.5 105.324,-9.5 106.674,-9.5 107.124,-9.5 107.574,-9.5 108.024,-9.5 108.474,-9.5 108.924,-9.5 109.374,-9.5 109.824,-9.5 110.274,-9.5 110.724,-9.5 111.174,-9.5 111.624,-9.5 112.074,-9.5 112.524,-9.5 112.974,-9.5 113.424,-9.5 113.874,-9.5 114.324,-9.5 114.774,-9.5 115.224,-9.5 115.674,-9.5 116.124,-9.5 116.574,-9.5 117.024,-9.5 117.474,-9.5 117.924,-9.5 118.374,-9.5 120.174,-9.5 120.624,-9.5 121.074,-9.5 121.524,-9.5 121.974,-9.5 122.424,-9.5 122.874,-9.5 123.324,-9.5 123.774,-9.5 124.224,-9.5 124.674,-9.5 125.124,-9.5 125.574,-9.5 126.024,-9.5 126.474,-9.5 126.924,-9.5 127.374,-9.5 127.824,-9.5 128.274,-9.5 128.724,-9.5 129.174,-9.5 129.624,-9.5 130.074,-9.5 130.524,-9.5 130.974,-9.5 131.424,-9.5 131.874,-9.5 132.324,-9.5 132.774,-9.5 133.224,-9.5 133.674,-9.5 135.924,-9.5 136.374,-9.5 136.824,-9.5 137.274,-9.5 137.724,-9.5 138.174,-9.5 138.624,-9.5 139.074,-9.5 139.524,-9.5 139.974,-9.5 140.424,-9.5 140.874,-9.5 141.324,-9.5 141.774,-9.5 142.224,-9.5 142.674,-9.5 143.124,-9.5 143.574,-9.5 101.499,-9.05 105.099,-9.05 107.349,-9.05 107.799,-9.05 109.599,-9.05 110.049,-9.05 110.499,-9.05 110.949,-9.05 111.399,-9.05 111.849,-9.05 112.299,-9.05 112.749,-9.05 113.199,-9.05 113.649,-9.05 114.099,-9.05 114.549,-9.05 114.999,-9.05 115.449,-9.05 115.899,-9.05 116.349,-9.05 116.799,-9.05 117.249,-9.05 117.699,-9.05 118.149,-9.05 119.949,-9.05 120.399,-9.05 120.849,-9.05 121.299,-9.05 121.749,-9.05 122.199,-9.05 122.649,-9.05 123.099,-9.05 123.549,-9.05 123.999,-9.05 124.449,-9.05 124.899,-9.05 125.349,-9.05 125.799,-9.05 126.249,-9.05 126.699,-9.05 127.149,-9.05 127.599,-9.05 128.049,-9.05 128.499,-9.05 128.949,-9.05 129.399,-9.05 129.849,-9.05 130.299,-9.05 130.749,-9.05 131.199,-9.05 131.649,-9.05 132.099,-9.05 132.549,-9.05 136.149,-9.05 136.599,-9.05 137.049,-9.05 137.499,-9.05 137.949,-9.05 138.399,-9.05 138.849,-9.05 139.299,-9.05 139.749,-9.05 140.199,-9.05 140.649,-9.05 141.099,-9.05 141.549,-9.05 141.999,-9.05 142.449,-9.05 142.899,-9.05 143.349,-9.05 101.724,-8.6 102.174,-8.6 102.624,-8.6 104.424,-8.6 104.874,-8.6 105.324,-8.6 107.574,-8.6 109.374,-8.6 109.824,-8.6 110.274,-8.6 110.724,-8.6 111.174,-8.6 111.624,-8.6 112.074,-8.6 112.524,-8.6 112.974,-8.6 113.424,-8.6 113.874,-8.6 114.324,-8.6 114.774,-8.6 115.224,-8.6 115.674,-8.6 116.124,-8.6 116.574,-8.6 117.024,-8.6 117.474,-8.6 117.924,-8.6 118.374,-8.6 120.174,-8.6 120.624,-8.6 121.074,-8.6 121.524,-8.6 121.974,-8.6 122.424,-8.6 122.874,-8.6 123.324,-8.6 123.774,-8.6 124.224,-8.6 124.674,-8.6 125.124,-8.6 125.574,-8.6 126.024,-8.6 126.474,-8.6 126.924,-8.6 127.374,-8.6 127.824,-8.6 128.274,-8.6 128.724,-8.6 129.174,-8.6 129.624,-8.6 130.074,-8.6 130.524,-8.6 130.974,-8.6 131.424,-8.6 131.874,-8.6 132.324,-8.6 136.824,-8.6 137.274,-8.6 137.724,-8.6 138.174,-8.6 138.624,-8.6 139.074,-8.6 139.524,-8.6 139.974,-8.6 140.424,-8.6 140.874,-8.6 141.324,-8.6 141.774,-8.6 142.224,-8.6 142.674,-8.6 143.124,-8.6 143.574,-8.6 101.499,-8.15 101.949,-8.15 102.399,-8.15 103.749,-8.15 104.199,-8.15 104.649,-8.15 105.099,-8.15 107.349,-8.15 107.799,-8.15 109.599,-8.15 110.049,-8.15 110.499,-8.15 110.949,-8.15 111.399,-8.15 111.849,-8.15 112.299,-8.15 112.749,-8.15 113.199,-8.15 113.649,-8.15 114.099,-8.15 114.549,-8.15 114.999,-8.15 115.449,-8.15 115.899,-8.15 116.349,-8.15 116.799,-8.15 117.249,-8.15 117.699,-8.15 118.149,-8.15 119.949,-8.15 120.399,-8.15 120.849,-8.15 121.299,-8.15 121.749,-8.15 122.199,-8.15 122.649,-8.15 123.099,-8.15 123.549,-8.15 123.999,-8.15 124.449,-8.15 124.899,-8.15 125.349,-8.15 125.799,-8.15 126.249,-8.15 126.699,-8.15 127.149,-8.15 127.599,-8.15 128.049,-8.15 128.499,-8.15 128.949,-8.15 129.399,-8.15 129.849,-8.15 130.299,-8.15 130.749,-8.15 131.199,-8.15 131.649,-8.15 132.099,-8.15 136.599,-8.15 137.049,-8.15 137.499,-8.15 137.949,-8.15 138.399,-8.15 138.849,-8.15 139.299,-8.15 139.749,-8.15 140.199,-8.15 140.649,-8.15 141.099,-8.15 141.549,-8.15 141.999,-8.15 142.449,-8.15 142.899,-8.15 143.349,-8.15 101.724,-7.7 102.174,-7.7 102.624,-7.7 103.974,-7.7 104.424,-7.7 104.874,-7.7 105.324,-7.7 105.774,-7.7 107.574,-7.7 109.374,-7.7 109.824,-7.7 110.274,-7.7 110.724,-7.7 111.174,-7.7 111.624,-7.7 112.074,-7.7 112.524,-7.7 112.974,-7.7 113.424,-7.7 113.874,-7.7 114.324,-7.7 114.774,-7.7 115.224,-7.7 115.674,-7.7 116.124,-7.7 116.574,-7.7 117.024,-7.7 117.474,-7.7 117.924,-7.7 118.374,-7.7 120.174,-7.7 120.624,-7.7 121.074,-7.7 121.524,-7.7 121.974,-7.7 122.424,-7.7 122.874,-7.7 123.324,-7.7 123.774,-7.7 124.224,-7.7 124.674,-7.7 125.124,-7.7 125.574,-7.7 126.024,-7.7 126.474,-7.7 126.924,-7.7 127.374,-7.7 127.824,-7.7 128.274,-7.7 128.724,-7.7 129.174,-7.7 129.624,-7.7 130.074,-7.7 130.524,-7.7 130.974,-7.7 131.424,-7.7 131.874,-7.7 132.324,-7.7 136.374,-7.7 136.824,-7.7 137.274,-7.7 137.724,-7.7 138.174,-7.7 138.624,-7.7 139.074,-7.7 139.524,-7.7 139.974,-7.7 140.424,-7.7 140.874,-7.7 141.324,-7.7 141.774,-7.7 142.224,-7.7 142.674,-7.7 143.124,-7.7 143.574,-7.7 101.499,-7.25 101.949,-7.25 102.399,-7.25 103.749,-7.25 104.199,-7.25 104.649,-7.25 105.099,-7.25 105.549,-7.25 105.999,-7.25 106.449,-7.25 106.899,-7.25 107.349,-7.25 107.799,-7.25 109.149,-7.25 109.599,-7.25 110.049,-7.25 110.499,-7.25 110.949,-7.25 111.399,-7.25 111.849,-7.25 112.299,-7.25 112.749,-7.25 113.199,-7.25 113.649,-7.25 114.099,-7.25 114.549,-7.25 114.999,-7.25 115.449,-7.25 115.899,-7.25 116.349,-7.25 116.799,-7.25 117.249,-7.25 117.699,-7.25 118.149,-7.25 119.949,-7.25 120.399,-7.25 120.849,-7.25 121.299,-7.25 121.749,-7.25 122.199,-7.25 122.649,-7.25 123.099,-7.25 123.549,-7.25 123.999,-7.25 124.449,-7.25 124.899,-7.25 125.349,-7.25 125.799,-7.25 126.249,-7.25 126.699,-7.25 127.149,-7.25 127.599,-7.25 128.049,-7.25 128.499,-7.25 128.949,-7.25 129.399,-7.25 129.849,-7.25 130.299,-7.25 130.749,-7.25 131.199,-7.25 131.649,-7.25 132.099,-7.25 132.549,-7.25 132.999,-7.25 133.899,-7.25 136.149,-7.25 136.599,-7.25 137.049,-7.25 137.499,-7.25 137.949,-7.25 138.399,-7.25 138.849,-7.25 139.299,-7.25 139.749,-7.25 140.199,-7.25 140.649,-7.25 141.099,-7.25 141.549,-7.25 141.999,-7.25 142.449,-7.25 142.899,-7.25 143.349,-7.25 101.724,-6.8 102.174,-6.8 102.624,-6.8 103.974,-6.8 104.424,-6.8 104.874,-6.8 105.324,-6.8 105.774,-6.8 106.224,-6.8 106.674,-6.8 107.124,-6.8 107.574,-6.8 108.024,-6.8 109.374,-6.8 109.824,-6.8 110.274,-6.8 110.724,-6.8 111.174,-6.8 111.624,-6.8 112.074,-6.8 112.524,-6.8 112.974,-6.8 113.424,-6.8 113.874,-6.8 114.324,-6.8 114.774,-6.8 115.224,-6.8 115.674,-6.8 116.124,-6.8 116.574,-6.8 117.024,-6.8 117.474,-6.8 117.924,-6.8 118.374,-6.8 120.174,-6.8 120.624,-6.8 121.074,-6.8 121.524,-6.8 121.974,-6.8 122.424,-6.8 122.874,-6.8 123.324,-6.8 123.774,-6.8 124.224,-6.8 124.674,-6.8 125.124,-6.8 125.574,-6.8 126.024,-6.8 126.474,-6.8 126.924,-6.8 127.374,-6.8 127.824,-6.8 128.274,-6.8 128.724,-6.8 129.174,-6.8 129.624,-6.8 130.074,-6.8 130.524,-6.8 130.974,-6.8 131.424,-6.8 131.874,-6.8 132.324,-6.8 132.774,-6.8 135.924,-6.8 136.374,-6.8 136.824,-6.8 137.274,-6.8 137.724,-6.8 138.174,-6.8 138.624,-6.8 139.074,-6.8 139.524,-6.8 139.974,-6.8 140.424,-6.8 140.874,-6.8 141.324,-6.8 141.774,-6.8 142.224,-6.8 142.674,-6.8 143.124,-6.8 143.574,-6.8 101.499,-6.35 101.949,-6.35 102.399,-6.35 103.749,-6.35 104.199,-6.35 104.649,-6.35 105.099,-6.35 105.549,-6.35 105.999,-6.35 106.449,-6.35 106.899,-6.35 107.349,-6.35 107.799,-6.35 109.149,-6.35 109.599,-6.35 110.049,-6.35 110.499,-6.35 110.949,-6.35 111.399,-6.35 111.849,-6.35 112.299,-6.35 112.749,-6.35 113.199,-6.35 113.649,-6.35 114.099,-6.35 114.549,-6.35 114.999,-6.35 115.449,-6.35 115.899,-6.35 116.349,-6.35 116.799,-6.35 117.249,-6.35 117.699,-6.35 118.149,-6.35 119.949,-6.35 120.399,-6.35 120.849,-6.35 121.299,-6.35 121.749,-6.35 122.199,-6.35 122.649,-6.35 123.099,-6.35 123.549,-6.35 123.999,-6.35 124.449,-6.35 124.899,-6.35 125.349,-6.35 125.799,-6.35 126.249,-6.35 126.699,-6.35 127.149,-6.35 127.599,-6.35 128.049,-6.35 128.499,-6.35 128.949,-6.35 129.399,-6.35 129.849,-6.35 130.299,-6.35 130.749,-6.35 131.199,-6.35 131.649,-6.35 132.099,-6.35 132.549,-6.35 132.999,-6.35 133.899,-6.35 136.149,-6.35 136.599,-6.35 137.049,-6.35 137.499,-6.35 137.949,-6.35 138.399,-6.35 138.849,-6.35 139.299,-6.35 139.749,-6.35 140.199,-6.35 140.649,-6.35 141.099,-6.35 141.549,-6.35 141.999,-6.35 142.449,-6.35 142.899,-6.35 143.349,-6.35 101.724,-5.9 104.874,-5.9 105.324,-5.9 105.774,-5.9 106.224,-5.9 106.674,-5.9 107.124,-5.9 107.574,-5.9 108.024,-5.9 109.374,-5.9 109.824,-5.9 110.274,-5.9 110.724,-5.9 111.174,-5.9 111.624,-5.9 112.074,-5.9 112.524,-5.9 112.974,-5.9 113.424,-5.9 113.874,-5.9 114.324,-5.9 114.774,-5.9 115.224,-5.9 115.674,-5.9 116.124,-5.9 116.574,-5.9 117.024,-5.9 117.474,-5.9 117.924,-5.9 118.374,-5.9 120.174,-5.9 120.624,-5.9 121.074,-5.9 121.524,-5.9 121.974,-5.9 122.424,-5.9 122.874,-5.9 123.324,-5.9 123.774,-5.9 124.224,-5.9 124.674,-5.9 125.124,-5.9 125.574,-5.9 126.024,-5.9 126.474,-5.9 126.924,-5.9 127.374,-5.9 127.824,-5.9 128.274,-5.9 128.724,-5.9 129.174,-5.9 129.624,-5.9 130.074,-5.9 130.524,-5.9 130.974,-5.9 131.424,-5.9 131.874,-5.9 132.324,-5.9 132.774,-5.9 135.924,-5.9 136.374,-5.9 136.824,-5.9 137.274,-5.9 137.724,-5.9 138.174,-5.9 138.624,-5.9 139.074,-5.9 139.524,-5.9 139.974,-5.9 140.424,-5.9 140.874,-5.9 141.324,-5.9 141.774,-5.9 142.224,-5.9 142.674,-5.9 143.124,-5.9 143.574,-5.9 101.499,-5.45 105.099,-5.45 105.549,-5.45 105.999,-5.45 106.449,-5.45 106.899,-5.45 107.349,-5.45 107.799,-5.45 109.149,-5.45 109.599,-5.45 110.049,-5.45 110.499,-5.45 110.949,-5.45 111.399,-5.45 111.849,-5.45 112.299,-5.45 112.749,-5.45 113.199,-5.45 113.649,-5.45 114.099,-5.45 114.549,-5.45 114.999,-5.45 115.449,-5.45 115.899,-5.45 116.349,-5.45 116.799,-5.45 117.249,-5.45 117.699,-5.45 118.149,-5.45 119.949,-5.45 120.399,-5.45 120.849,-5.45 121.299,-5.45 121.749,-5.45 122.199,-5.45 122.649,-5.45 123.099,-5.45 123.549,-5.45 123.999,-5.45 124.449,-5.45 124.899,-5.45 125.349,-5.45 125.799,-5.45 126.249,-5.45 126.699,-5.45 127.149,-5.45 127.599,-5.45 128.049,-5.45 128.499,-5.45 128.949,-5.45 129.399,-5.45 129.849,-5.45 130.299,-5.45 130.749,-5.45 131.199,-5.45 131.649,-5.45 132.099,-5.45 132.549,-5.45 132.999,-5.45 133.899,-5.45 136.149,-5.45 136.599,-5.45 137.049,-5.45 137.499,-5.45 137.949,-5.45 138.399,-5.45 138.849,-5.45 139.299,-5.45 139.749,-5.45 140.199,-5.45 140.649,-5.45 141.099,-5.45 141.549,-5.45 141.999,-5.45 142.449,-5.45 142.899,-5.45 143.349,-5.45 101.724,-5 104.874,-5 105.324,-5 105.774,-5 106.224,-5 106.674,-5 107.124,-5 107.574,-5 108.024,-5 109.374,-5 109.824,-5 110.274,-5 110.724,-5 111.174,-5 111.624,-5 112.074,-5 112.524,-5 112.974,-5 113.424,-5 113.874,-5 114.324,-5 114.774,-5 115.224,-5 115.674,-5 116.124,-5 116.574,-5 117.024,-5 117.474,-5 117.924,-5 120.174,-5 120.624,-5 121.074,-5 121.524,-5 121.974,-5 122.424,-5 122.874,-5 123.324,-5 123.774,-5 124.224,-5 124.674,-5 125.124,-5 125.574,-5 126.024,-5 126.474,-5 126.924,-5 127.374,-5 127.824,-5 128.274,-5 128.724,-5 129.174,-5 129.624,-5 130.074,-5 130.524,-5 130.974,-5 131.424,-5 131.874,-5 132.324,-5 132.774,-5 135.924,-5 136.374,-5 136.824,-5 137.274,-5 137.724,-5 138.174,-5 138.624,-5 139.074,-5 139.524,-5 139.974,-5 140.424,-5 140.874,-5 141.324,-5 141.774,-5 142.224,-5 142.674,-5 143.124,-5 143.574,-5 101.499,-4.55 105.099,-4.55 105.549,-4.55 105.999,-4.55 106.449,-4.55 106.899,-4.55 107.349,-4.55 107.799,-4.55 109.149,-4.55 109.599,-4.55 110.049,-4.55 110.499,-4.55 110.949,-4.55 111.399,-4.55 111.849,-4.55 112.299,-4.55 112.749,-4.55 113.199,-4.55 113.649,-4.55 114.099,-4.55 114.549,-4.55 114.999,-4.55 115.449,-4.55 115.899,-4.55 116.349,-4.55 116.799,-4.55 117.249,-4.55 117.699,-4.55 119.949,-4.55 120.399,-4.55 120.849,-4.55 121.299,-4.55 121.749,-4.55 122.199,-4.55 122.649,-4.55 123.099,-4.55 123.549,-4.55 123.999,-4.55 124.449,-4.55 124.899,-4.55 125.349,-4.55 125.799,-4.55 126.249,-4.55 126.699,-4.55 127.149,-4.55 127.599,-4.55 128.049,-4.55 128.499,-4.55 128.949,-4.55 129.399,-4.55 129.849,-4.55 130.299,-4.55 130.749,-4.55 131.199,-4.55 131.649,-4.55 132.099,-4.55 132.549,-4.55 132.999,-4.55 133.899,-4.55 136.149,-4.55 136.599,-4.55 137.049,-4.55 137.499,-4.55 137.949,-4.55 138.399,-4.55 138.849,-4.55 139.299,-4.55 139.749,-4.55 140.199,-4.55 140.649,-4.55 141.099,-4.55 141.549,-4.55 141.999,-4.55 142.449,-4.55 142.899,-4.55 143.349,-4.55 101.724,-4.1 102.174,-4.1 102.624,-4.1 103.074,-4.1 103.524,-4.1 105.324,-4.1 105.774,-4.1 106.224,-4.1 106.674,-4.1 107.124,-4.1 107.574,-4.1 108.024,-4.1 109.374,-4.1 109.824,-4.1 110.274,-4.1 110.724,-4.1 111.174,-4.1 111.624,-4.1 112.074,-4.1 112.524,-4.1 112.974,-4.1 113.424,-4.1 113.874,-4.1 114.324,-4.1 114.774,-4.1 115.224,-4.1 115.674,-4.1 121.524,-4.1 121.974,-4.1 122.424,-4.1 122.874,-4.1 123.324,-4.1 123.774,-4.1 124.224,-4.1 124.674,-4.1 125.124,-4.1 125.574,-4.1 126.024,-4.1 126.474,-4.1 126.924,-4.1 127.374,-4.1 127.824,-4.1 128.274,-4.1 128.724,-4.1 129.174,-4.1 129.624,-4.1 130.074,-4.1 130.524,-4.1 130.974,-4.1 131.424,-4.1 131.874,-4.1 132.324,-4.1 132.774,-4.1 135.924,-4.1 136.374,-4.1 136.824,-4.1 137.274,-4.1 137.724,-4.1 138.174,-4.1 138.624,-4.1 139.074,-4.1 139.524,-4.1 139.974,-4.1 140.424,-4.1 140.874,-4.1 141.324,-4.1 141.774,-4.1 142.224,-4.1 142.674,-4.1 143.124,-4.1 143.574,-4.1